# Altium PCB L4N-24VDimmer.PcbDoc (part 2 of 2)
Units mm, origin at the board's own origin, x right, y up, seen from the top; angles counter-clockwise.
Board outline 87 x 52 mm, 2 copper layers (Top, Bottom Layer), stack 1.32 mm thick; 77 components, 64 nets, 298 pads, 225 vias.
Unrouted connection lines stored in the file: 10.
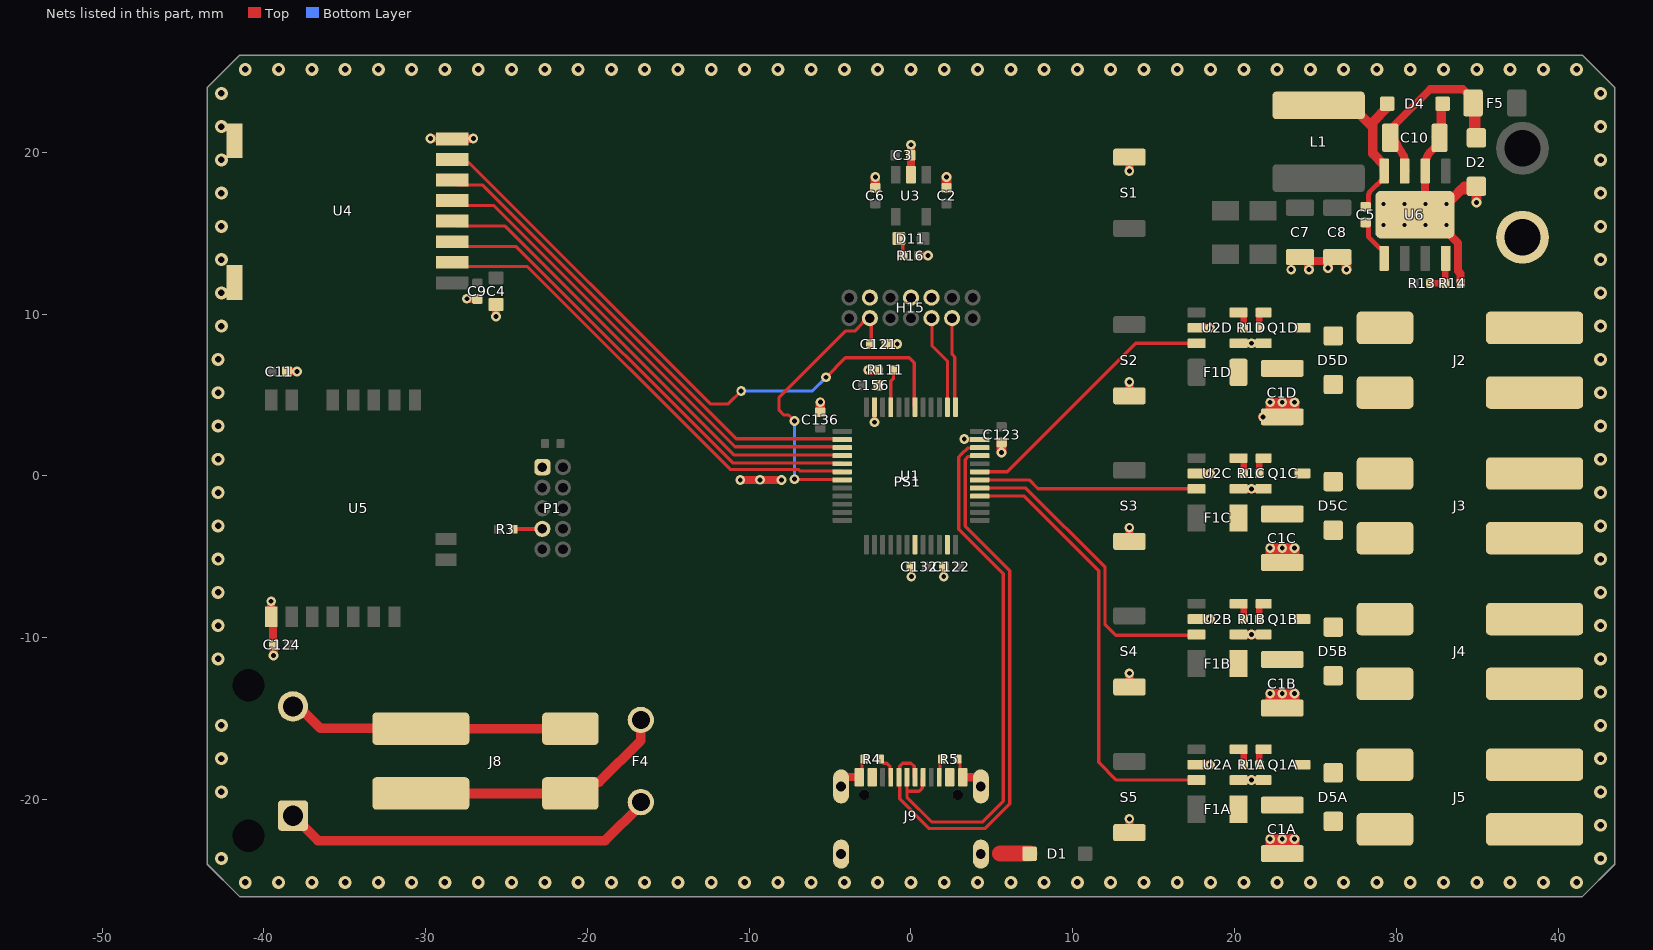
[diagram p2: the nets of this part, all layers, seen from the top]

## Via types
v1: diameter 0.8, hole 0.4, Top to Bottom Layer, tented both sides, 128 vias
v2: diameter 0.6, hole 0.3, Top to Bottom Layer, tented both sides, 89 vias
v3: diameter 0.5, hole 0.25, Top to Bottom Layer, tented both sides, 8 vias

## Nets (pads, with @x,y where several pads share a name; then routed paths per layer and width w, separated by ;. In a path a pad name is that pad's centre, name@x,y a point inside that pad or via, vN(x,y) a via of type N, cw(c..) or ccw(c..) an arc to the next point about the centre after c; other vN are vias at no path point) (continued)
GND: C1A.1 C1B.1 C1C.1 C1D.1 C2.1 C3.1 C4.2 C6.1 C7.2 C8.2 C9.1 C10.1 C11.1 C121.1 C122.1 C123.1 C124.1 C132.1 C136.1 C156.1 D2.1 D4.A H15.5 H15.7 H15.11 J9.A1/B12 J9.A12/B1 J9.Shell P1.1 PS1.-V Q1A.2 Q1B.2 Q1C.2 Q1D.2 R4.2 R5.2 R14.2 R16.2 R111.2 S1.1 S2.1 S3.1 S4.1 S5.1 U1.19 U1.23 U1.35 U1.47 U2A.2 U2A.4 U2B.2 U2B.4 U2C.2 U2C.4 U2D.2 U2D.4 U3.2 U4.8 U4.9 U4.10 U5.1 U6.6 U6.9 | length 85.6
  Top w0.2: J9.A1/B12@-3.2,-18.625 -3.025,-18.45 -3.025,-17.65 R4.2@-2.875,-17.5 ; R5.2@2.875,-17.5 3.025,-17.65 3.025,-18.45 J9.A12/B1@3.2,-18.625 ; C8.2@26.025,13.525 C8.2@26.35,13.525
  Top w0.3: v2(-2.25,3.316) U1.47@-2.25,4.25 ; C132.1@0.02,-5.6 0.02,-6.222 v2(0.025,-6.227) ; C122.1@2.02,-5.6 2.02,-6.222 v2(2.025,-6.227) ; v2(3.288,2.279) 3.288,2.278 3.316,2.25 3.331,2.25 3.389,2.308 3.389,2.261 3.4,2.25 U1.35@4.25,2.25
  Top w0.5: v2(-39.55,-7.75) U5.1@-39.55,-8.706 -39.426,-8.83 -39.426,-10.404 C124.1@-39.38,-10.45 ; v2(-39.4,-11.1) -39.39,-11.09 C124.1@-39.39,-10.45 ; C11.1@-38.57,6.45 v2(-37.95,6.45) ; v2(-29.7,20.85) v2(-27.05,20.85) -27.063,20.837 -28.347,20.837 U4.8@-28.359,20.825 ; v2(-27.45,10.95) -27.445,10.945 -26.805,10.945 C9.1@-26.8,10.94 ; v2(-25.65,9.85) C4.2@-25.65,10.595 ; v2(-10.55,-0.25) -10.547,-0.247 -9.342,-0.247 v2(-9.338,-0.243) -9.335,-0.247 -8.003,-0.247 v2(-8,-0.25) ; J9.Shell@-4.32,-19.195 -4.32,-18.85 -4.089,-18.619 J9.A1/B12@-3.206,-18.619 ; C121.1@-1.52,8.15 v2(-0.85,8.15) ; U3.2@-0.005,18.63 U3.2@0.005,18.62 ; v2@-0.005,20.46 v2@0.005,20.47 ; U3.2@0,18.63 C3.1@0,19.81 ; C3.1@0,19.83 v2@0,20.46 ; C3.1@0.005,19.81 -0.005,19.82 C3.1@0.005,19.83 ; R16.2@0.475,13.613 R16.2@0.475,13.628 ; R16.2@0.475,13.62 v2@1.035,13.62 ; v2@1.035,13.613 v2@1.05,13.628 ; J9.A12/B1@3.2,-18.625 4.089,-18.625 4.32,-18.856 J9.Shell@4.32,-19.195 ; S5.1@13.5,-22.05 v2(13.5,-21.2) ; S4.1@13.5,-13.05 v2(13.5,-12.2) ; S3.1@13.5,-4.05 v2(13.5,-3.2) ; S2.1@13.5,4.95 v2(13.5,5.8) ; v2(13.5,18.85) S1.1@13.5,19.7 ; U2A.2@17.65,-17.85 v2(18.5,-17.85) ; U2B.2@17.65,-8.85 v2(18.5,-8.85) ; U2C.2@17.65,0.15 v2(18.5,0.15) ; U2D.2@17.65,9.15 v2(18.5,9.15) ; U2A.4@20.25,-18.8 21.005,-18.8 21.025,-18.82 21.079,-18.82 21.099,-18.8 Q1A.2@21.8,-18.8 ; U2B.4@20.25,-9.8 21.005,-9.8 21.025,-9.82 21.079,-9.82 21.099,-9.8 Q1B.2@21.8,-9.8 ; U2C.4@20.25,-0.8 21.005,-0.8 21.025,-0.82 21.079,-0.82 21.099,-0.8 Q1C.2@21.8,-0.8 ; U2D.4@20.25,8.2 21.005,8.2 21.025,8.18 21.079,8.18 21.099,8.2 Q1D.2@21.8,8.2 ; C7.2@24.775,13.275 C8.2@25.95,13.275 ; v3(31.8,16.8) 31.8,16.823 31.795,16.805 31.785,16.815 U6.6@31.785,18.85 31.835,18.863 31.813,18.863 cw(c32.304,18.957) 31.808,18.896 cw(c33.048,19.046) 31.798,19.046 31.798,19.222 cw(c33.048,19.222) 32.074,20.005 32.075,20.006 32.384,20.315 32.475,20.325 32.628,20.708 32.629,20.709 cw(c33.789,20.243) 32.69,20.841 cw(c33.789,20.243) 32.709,20.873 cw(c33.14,20.62) C10.1@32.731,20.907 ; C10.1@32.431,20.957 32.675,20.957 32.703,20.925 C10.1@32.725,20.9 ; v3(33.1,15.5) 33.1,15.111 33.805,14.406 33.805,12.675 33.975,12.505 R14.2@33.975,11.9
  Top w0.6: C136.1@-5.6,3.94 v2(-5.6,4.56) ; v2(-2.645,6.55) R111.2@-2.025,6.55 ; C6.1@-2.2,17.8 v2(-2.2,18.47) ; C2.1@2.2,17.8 v2(2.2,18.47) ; v2(5.6,1.45) C123.1@5.6,2.07 ; C1D.1@21.76,3.65 v2(21.77,3.64) ; C1A.1@22.2,-23.35 v2(22.2,-22.45) v2(22.95,-22.45) ; v2@22.2,-22.7 v2@23.7,-22.7 ; C1B.1@22.2,-14.35 v2(22.2,-13.45) v2(22.95,-13.45) ; v2@22.2,-13.7 v2@23.7,-13.7 ; C1C.1@22.2,-5.35 v2(22.2,-4.45) v2(22.95,-4.45) ; v2@22.2,-4.7 v2@23.7,-4.7 ; C1D.1@22.2,3.65 v2(22.2,4.55) v2(22.95,4.55) ; v2@22.2,4.3 v2@23.7,4.3 ; C1A.1@22.95,-23.35 v2(22.95,-22.45) ; C1B.1@22.95,-14.35 v2(22.95,-13.45) ; C1C.1@22.95,-5.35 v2(22.95,-4.45) ; C1D.1@22.95,3.65 v2(22.95,4.55) ; C7.2@23.5,13.325 23.7,13.525 C7.2@24.575,13.525 ; C1A.1@23.7,-23.35 v2(23.7,-22.45) v2(22.95,-22.45) ; C1B.1@23.7,-14.35 v2(23.7,-13.45) v2(22.95,-13.45) ; C1C.1@23.7,-5.35 v2(23.7,-4.45) v2(22.95,-4.45) ; C1D.1@23.7,3.65 v2(23.7,4.55) v2(22.95,4.55) ; v2(24.6,12.75) C7.2@24.6,13.275 ; v2(25.775,12.85) 25.775,13.275 C8.2@26.025,13.525 ; C8.2@26.35,13.525 26.725,13.525 26.925,13.325 v2(26.925,12.75) ; C10.1@32.65,20.8 32.69,20.841 32.77,20.92 32.77,22.905 D4.A@32.864,23 ; v2(34.95,16.9) D2.1@34.95,17.75 ; D2.1@34.95,17.702 D2.1@34.702,17.702 ; U6.9@33.583,17.283 v3(33.1,16.8) 33.1,17.088 33.295,17.283 U6.9@33.583,17.283 ; U6.9@33.583,17.283 34.002,17.702 D2.1@34.702,17.702 ; U6.9@33.583,17.283 34.2,17.9 34.504,17.9 D2.1@34.702,17.702
  other v1: -41.15,-25.125 -39.093,-25.125 -37.035,-25.125 -34.978,-25.125 -32.92,-25.125 -30.863,-25.125 -28.805,-25.125 -26.748,-25.125 -24.69,-25.125 -22.633,-25.125 -20.575,-25.125 -18.518,-25.125 -16.46,-25.125 -14.403,-25.125 -12.345,-25.125 -10.288,-25.125 -8.23,-25.125 -6.173,-25.125 -4.115,-25.125 -2.058,-25.125 0,-25.125 2.057,-25.125 4.115,-25.125 6.172,-25.125 8.23,-25.125 10.287,-25.125 12.345,-25.125 14.402,-25.125 16.46,-25.125 18.517,-25.125 20.575,-25.125 22.632,-25.125 24.69,-25.125 26.747,-25.125 28.805,-25.125 30.862,-25.125 32.92,-25.125 34.977,-25.125 37.035,-25.125 39.092,-25.125 41.15,-25.125 -42.625,-23.65 42.625,-23.65 42.625,-21.593 -42.625,-19.537 42.625,-19.537 -42.625,-17.48 42.625,-17.48 -42.625,-15.424 42.625,-15.424 42.625,-13.367 -42.825,-11.311 42.625,-11.311 -42.825,-9.254 42.625,-9.254 -42.825,-7.198 42.625,-7.198 -42.825,-5.141 42.625,-5.141 -42.825,-3.085 42.625,-3.085 -42.825,-1.028 42.625,-1.028 -42.825,1.028 42.625,1.028 -42.825,3.085 42.625,3.085 -42.825,5.141 42.625,5.141 -42.825,7.198 42.625,7.198 -42.625,9.254 42.625,9.254 -42.625,11.311 42.625,11.311 -42.625,13.367 42.625,13.367 -42.625,15.424 42.625,15.424 -42.625,17.48 42.625,17.48 -42.625,19.537 42.625,19.537 -42.625,21.593 42.625,21.593 -42.625,23.65 42.625,23.65 -41.15,25.125 -39.093,25.125 -37.035,25.125 -34.978,25.125 -32.92,25.125 -30.863,25.125 -28.805,25.125 -26.748,25.125 -24.69,25.125 -22.633,25.125 -20.575,25.125 -18.518,25.125 -16.46,25.125 -14.403,25.125 -12.345,25.125 -10.288,25.125 -8.23,25.125 -6.173,25.125 -4.115,25.125 -2.058,25.125 0,25.125 2.057,25.125 4.115,25.125 6.172,25.125 8.23,25.125 10.287,25.125 12.345,25.125 14.402,25.125 16.46,25.125 18.517,25.125 20.575,25.125 22.632,25.125 24.69,25.125 26.747,25.125 28.805,25.125 30.862,25.125 32.92,25.125 34.977,25.125 37.035,25.125 39.092,25.125 41.15,25.125
  other v2: 21.052,-18.8 21.052,-9.8 21.052,-0.8 21.052,8.2 23.5,12.75 1.05,13.62 0,20.47
  other v3: 29.2,15.5 30.5,15.5 31.8,15.5 29.2,16.8 30.5,16.8
NetC1A_2: C1A.2 D5A.2 F1A.2 J5.1
NetC1B_2: C1B.2 D5B.2 F1B.2 J4.1
NetC1C_2: C1C.2 D5C.2 F1C.2 J3.1
NetC1D_2: C1D.2 D5D.2 F1D.2 J2.1
NetC5_1: C5.1 U6.1 | length 2.4
  Top w0.3: C5.1@28.1,15.67 28.12,15.67 28.27,15.52 28.27,14.78 28.975,14.075 29.095,14.075 29.25,13.92 U6.1@29.25,13.8
NetC5_2: C5.2 D4.K L1.1 U6.8 | length 9.4
  Top w0.3: C5.2@28.1,16.63 28.12,16.63 28.27,16.78 28.27,17.4 28.35,17.48 28.35,17.554 28.771,17.975 28.775,17.975 29.025,18.225 29.095,18.225 29.25,18.38 U6.8@29.25,18.45
  Top w0.6: L1.1@26.994,23.081 28.548,21.526 ; U6.8@29.245,18.85 29.245,19.226 28.548,19.922 28.548,21.526 ; D4.K@29.435,23 29.435,22.764 28.548,21.877 28.548,21.526
NetC10_2: C10.2 D2.2 F5.1 U6.7 | length 12
  Top w0.25: 30.42,19.808 30.47,19.758
  Top w0.5: C10.2@29.625,20.9 29.625,21.425 32.1,23.9 33.435,23.9 34.125,23.9 F5.1@34.775,23.25 ; C10.2@29.675,20.9 C10.2@29.925,20.697 ; C10.2@29.825,20.697 29.915,20.546 29.925,20.528 C10.2@29.954,20.528 ; C10.2@29.975,20.582 cw(c29.622,20.228) 30.062,20.465 30.229,20.151 ccw(c31.332,20.739) 30.274,20.073 30.41,19.857 cw(c29.352,19.191) 30.462,19.766 ; 30.47,19.758 cw(c29.265,19.426) 30.515,19.426 30.515,18.879 30.565,18.879 U6.7@30.515,18.85 ; F5.1@34.748,23.05 F5.1@34.849,22.949 ; D2.2@34.849,20.851 34.85,20.85 34.9,20.9 D2.2@34.95,20.9
  Top w0.7: F5.1@34.748,23.05 34.853,22.945 34.853,20.997 D2.2@34.95,20.9
NetD5A_1: D5A.1 J5.2 Q1A.3
NetD5B_1: D5B.1 J4.2 Q1B.3
NetD5C_1: D5C.1 J3.2 Q1C.3
NetD5D_1: D5D.1 J2.2 Q1D.3
NetD11_1: D11.1 R16.1 | length 1.2
  Top w0.2: D11.1@-0.75,14.67 -0.512,14.433 -0.512,13.658 R16.1@-0.475,13.62
NetF4_1: F4.1 J8.2 | length 18.5
  Top w0.6: F4.1@-16.7,-15.085 -16.7,-16.35 -19.275,-18.925 -20.35,-18.925 J8.2@-21.05,-19.625 -21.8,-19.625 J8.2@-29.15,-19.625 ; J8.2@-30.3,-19.625 J8.2@-29.15,-19.625 ; J8.2@-30.3,-19.625 J8.2@-29.15,-19.625 ; J8.2@-30.3,-19.625 J8.2@-29.15,-19.625
NetF4_2: F4.2 PS1.AC/L | length 23.2
  Top w0.6: PS1.AC/L@-38.2,-21 -36.65,-22.55 -18.915,-22.55 -16.7,-20.335 F4.2@-16.7,-20.165
NetJ8_1: J8.1 PS1.AC/N | length 17.7
  Top w0.6: PS1.AC/N@-38.2,-14.25 -37.853,-14.25 -36.503,-15.6 -30.325,-15.6 J8.1@-30.3,-15.625 -28.7,-15.625 J8.1@-21.05,-15.625
NetJ9_A5: J9.A5 R4.1 | length 1.5
  Top w0.2: R4.1@-1.925,-17.5 -1.925,-17.525 -1.695,-17.755 -1.498,-17.755 -1.3,-17.953 -1.3,-18.575 J9.A5@-1.25,-18.625
NetJ9_B5: J9.B5 R5.1 | length 1.2
  Top w0.2: J9.B5@1.75,-18.625 1.8,-18.575 1.8,-17.625 R5.1@1.925,-17.5
NetP1_7: P1.7 R3.1 | length 1.8
  Top w0.25: R3.1@-24.575,-3.3 -24.56,-3.285 -22.8,-3.285 P1.7@-22.785,-3.27
NetQ1A_1: Q1A.1 R1A.2 | length 1.2
  Top w0.4: R1A.2@21.525,-17.85 21.525,-16.9 Q1A.1@21.8,-16.9
NetQ1B_1: Q1B.1 R1B.2 | length 1.2
  Top w0.4: R1B.2@21.525,-8.85 21.525,-7.9 Q1B.1@21.8,-7.9
NetQ1C_1: Q1C.1 R1C.2 | length 1.2
  Top w0.4: R1C.2@21.525,0.15 21.525,1.1 Q1C.1@21.8,1.1
NetQ1D_1: Q1D.1 R1D.2 | length 1.2
  Top w0.4: R1D.2@21.525,9.15 21.525,10.1 Q1D.1@21.8,10.1
NetR1A_1: R1A.1 U2A.5 | length 1.3
  Top w0.4: U2A.5@20.25,-16.9 20.575,-16.9 R1A.1@20.575,-17.85
NetR1B_1: R1B.1 U2B.5 | length 1.3
  Top w0.4: U2B.5@20.25,-7.9 20.575,-7.9 R1B.1@20.575,-8.85
NetR1C_1: R1C.1 U2C.5 | length 1.3
  Top w0.4: U2C.5@20.25,1.1 20.575,1.1 R1C.1@20.575,0.15
NetR1D_1: R1D.1 U2D.5 | length 1.3
  Top w0.4: U2D.5@20.25,10.1 20.575,10.1 R1D.1@20.575,9.15
NetR13_2: R13.2 R14.1 U6.4 | length 2.5
  Top w0.4: R13.2@32.075,11.9 R14.1@33.025,11.9 33.025,13.45 U6.4@33.055,13.45
NetR111_1: R111.1 U1.45 | length 2.4
  Top w0.2: U1.45@-1.25,4.25 -1.25,5.85 -1.075,6.025 R111.1@-1.075,6.55
NetU1_28: U1.28 U2A.3 | length 27.6
  Top w0.2: U1.28@4.25,-1.25 7,-1.25 11.6,-5.85 11.6,-17.7 12.7,-18.8 U2A.3@17.65,-18.8
NetU1_29: U1.29 U2B.3 | length 19.3
  Top w0.2: U1.29@4.25,-0.75 7.101,-0.75 12,-5.649 12,-9.2 12.65,-9.85 17.6,-9.85 U2B.3@17.65,-9.8
NetU1_30: U1.30 U2C.3 | length 13.6
  Top w0.2: U1.30@4.25,-0.25 7.3,-0.25 7.85,-0.8 U2C.3@17.65,-0.8
NetU1_31: U1.31 U2D.3 | length 16.7
  Top w0.2: U1.31@4.25,0.25 5.95,0.25 13.9,8.2 U2D.3@17.65,8.2
STM_RST: C121.2 H15.12 U1.7 | length 17.9
  Top w0.2: v2(-7.2,-0.2) -7.175,-0.225 -4.275,-0.225 U1.7@-4.25,-0.25 ; v2(-7.2,3.4) -7.563,3.763 -7.863,3.763 -8.15,4.05 -8.15,4.85 -4.05,8.95 -3.479,8.95 -3.01,9.419 -3.01,9.454 -2.714,9.75 H15.12@-2.54,9.75 -2.46,9.67 -2.46,8.17 C121.2@-2.48,8.15
  Bottom Layer w0.2: v2(-7.2,-0.2) v2(-7.2,3.4)
SWCLK: H15.6 U1.38 | length 5.9
  Top w0.2: H15.6@1.27,9.75 1.3,9.72 1.3,8.05 2.257,7.093 2.257,4.257 U1.38@2.25,4.25
SWDIO: H15.4 U1.37 | length 5.6
  Top w0.2: H15.4@2.54,9.75 2.54,7.51 2.7,7.35 2.7,6.05 2.702,6.047 2.702,4.298 U1.37@2.75,4.25
USB_DM: J9.A7 J9.B7 U1.33 | length 35.4
  Top w0.2: J9.A7@0.25,-18.625 0.2,-18.575 0.2,-17.953 0.002,-17.755 -0.502,-17.755 -0.7,-17.953 -0.7,-18.575 J9.B7@-0.75,-18.625 -0.7,-18.675 -0.7,-19.966 1.134,-21.8 4.566,-21.8 6.1,-20.266 6.1,-5.85 3.353,-3.103 3.353,-2.496 3.353,1.004 3.551,1.202 4.202,1.202 U1.33@4.25,1.25
USB_DP: J9.A6 J9.B6 U1.34 | length 34
  Top w0.2: -0.25,-19.495 -0.25,-19.85 1.3,-21.4 4.4,-21.4 5.7,-20.1 5.7,-6.049 2.953,-3.302 2.953,-2.33 2.953,1.17 3.151,1.368 3.501,1.718 4.218,1.718 U1.34@4.25,1.75 ; J9.A6@-0.25,-18.625 -0.25,-19.402 -0.157,-19.495 0.502,-19.495 0.7,-19.297 0.7,-18.675 J9.B6@0.75,-18.625
VBUS: D1.1 J9.A4/B9 J9.A9/B4 | length 1.8
  Top w1: 5.52,-23.35 D1.1@7.335,-23.35
WIRELESS_CE: U1.6 U4.2 | length 29.5
  Top w0.2: U4.2@-28.359,13.205 -28.099,12.945 -23.723,12.945 -11.178,0.4 -6.951,0.4 -6.849,0.298 -4.298,0.298 U1.6@-4.25,0.25
WIRELESS_IRQ: U1.42 U4.7 | length 38.9
  Top w0.2: U4.7@-28.359,19.555 -28.172,19.368 -27.318,19.368 -12.4,4.45 -11.3,4.45 v2(-10.5,5.25) ; v2(-5.25,6.1) -4.05,7.3 -0.1,7.3 0.202,6.998 0.202,4.298 U1.42@0.25,4.25
  Bottom Layer w0.2: v2(-10.5,5.25) -6.1,5.25 v2(-5.25,6.1)
WIRELESS_MISO: U1.2 U4.6 | length 30.8
  Top w0.2: U4.6@-28.359,18.285 -28.059,17.985 -26.501,17.985 -10.813,2.298 -4.298,2.298 U1.2@-4.25,2.25
WIRELESS_MOSI: U1.3 U4.5 | length 30.4
  Top w0.2: U4.5@-28.359,17.015 -28.059,16.715 -25.796,16.715 -10.879,1.798 -4.298,1.798 U1.3@-4.25,1.75
WIRELESS_SCK: U1.4 U4.4 | length 30.1
  Top w0.2: U4.4@-28.359,15.745 -28.059,15.445 -25.092,15.445 -10.945,1.298 -4.298,1.298 U1.4@-4.25,1.25
WIRELESS_SS: U1.5 U4.3 | length 29.8
  Top w0.2: U4.3@-28.359,14.475 -28.059,14.175 -24.388,14.175 -11.013,0.8 -6.786,0.8 -6.783,0.798 -4.298,0.798 U1.5@-4.25,0.75
pads on no net: F2.1 F2.2 F3.1 F3.2 H15.1 H15.2 H15.8 H15.9 H15.10 J9.A8 J9.B8 J9.MH1 J9.MH2 U1.12 U1.13 U1.14 U1.15 U1.16 U1.17 U1.18 U1.22 U1.40 U1.41 U1.43 U1.44 U1.46 U3.4 U5.5 U5.17 U5.23 U6.2 U6.3 U6.5

## Polygon pours and split planes (outlines as drawn)
GND on Top "NONET_L-01_P-001" (solid, remove dead copper, pour order 335): 33.45,24.4 29.65,24.4 29.65,14.65 33.15,14.65 34.15,11.6 38,11.6 40,13.6 40,15.8 33.45,22.35
NetC10_2 on Top "NONET_L-01_P-001" (solid, pour order 324): 29.1,22.65 30.95,22.65 30.95,17.95 29.1,17.95
3.3V on Top "NONET_L-01_P-001" (solid, remove dead copper, pour order 336): -43.5,-11.4 6.1,-11.4 6.1,14.7 3.6,17.2 -2.7,17.2 -2.7,24.5 -43.5,24.5
no net on Top "NONET_L01_P316" (solid, pour order 316): 319 vertices, not listed, extent -11.4,-16.406 -10.594,-15.027
no net on Top "NONET_L01_P317" (solid, pour order 317): -9.993,-18.536 cw(c-9.929,-18.447) -10.033,-18.481 cw(c-9.923,-18.448) -10.029,-18.403 -9.603,-17.268 cw(c-9.492,-17.294) -9.497,-17.18 -9.496,-17.18 -9.495,-17.18 cw(c-9.489,-17.299) -9.492,-17.18 cw(c-9.49,-17.285) -9.489,-17.18 -9.487,-17.18 -9.486,-17.18 -9.485,-17.18 cw(c-9.485,-17.203) -9.485,-17.18 cw(c-9.486,-17.207) -9.484,-17.18 cw(c-9.486,-17.211) -9.483,-17.18 cw(c-9.486,-17.218) -9.483,-17.18 -9.482,-17.18 -9.481,-17.18 -9.48,-17.18 -9.478,-17.18 -9.477,-17.18 -9.477,-17.181 cw(c-9.49,-17.295) -9.379,-17.269 -8.953,-18.403 cw(c-9.052,-18.448) -8.965,-18.512 cw(c-9.064,-18.435) -9.053,-18.561 cw(c-9.064,-18.451) -9.12,-18.546 cw(c-9.059,-18.449) -9.168,-18.484 -9.275,-18.2 -9.707,-18.2 -9.814,-18.484 cw(c-9.918,-18.452) -9.894,-18.558 cw(c-9.918,-18.435)
no net on Top "NONET_L01_P318" (solid, pour order 318): -12.702,-16.365 cw(c-12.612,-16.295) -12.726,-16.292 -12.726,-15.144 cw(c-12.612,-15.142) -12.613,-15.027 -12.613,-15.028 -12.611,-15.028 -12.609,-15.028 -12.607,-15.028 -12.605,-15.028 -12.603,-15.028 cw(c-12.608,-15.143) -12.601,-15.028 cw(c-12.607,-15.125) -12.599,-15.028 cw(c-12.606,-15.112) -12.597,-15.029 cw(c-12.604,-15.099) -12.593,-15.029 -12.289,-15.029 cw(c-12.289,-15.13) -12.284,-15.029 cw(c-12.29,-15.468) -11.851,-15.467 cw(c-11.966,-15.468) -11.851,-15.476 cw(c-12.289,-15.466) -12.008,-15.802 -11.857,-16.256 cw(c-11.957,-16.297) -11.872,-16.365 cw(c-11.969,-16.284) -11.963,-16.41 cw(c-11.97,-16.3) -12.029,-16.392 cw(c-11.964,-16.298) -12.075,-16.328 -12.218,-15.899 cw(c-12.309,-15.252) -12.232,-15.901 cw(c-12.299,-15.336) -12.246,-15.902 cw(c-12.293,-15.4) -12.26,-15.903 cw(c-12.289,-15.469) -12.289,-15.904 -12.497,-15.904 -12.497,-16.292 cw(c-12.606,-16.297) -12.546,-16.388 cw(c-12.612,-16.281) -12.646,-16.402 cw(c-12.617,-16.296)
no net on Top "NONET_L01_P319" (solid, pour order 319): 311 vertices, not listed, extent -11.329,-18.559 -10.38,-17.179
no net on Top "NONET_L01_P320" (solid, pour order 320): -10.244,-20.711 ccw(c-10.243,-20.588) -10.179,-20.692 ccw(c-10.238,-20.601) -10.129,-20.596 -10.129,-20.236 -9.463,-20.681 ccw(c-9.383,-20.598) -9.315,-20.69 ccw(c-9.382,-20.597) -9.269,-20.579 -9.269,-20.137 -9.061,-20.137 ccw(c-9.055,-20.022) -8.986,-20.114 ccw(c-9.054,-20.028) -8.948,-20.056 ccw(c-9.069,-20.022) -8.962,-19.956 ccw(c-9.053,-20.016) -9.061,-19.907 -9.269,-19.907 -9.269,-19.464 ccw(c-9.382,-19.447) -9.327,-19.346 ccw(c-9.384,-19.449) -9.385,-19.332 ccw(c-9.383,-19.446) -9.46,-19.361 -10.129,-19.807 -10.129,-19.448 ccw(c-10.244,-19.446) -10.246,-19.332 ccw(c-10.244,-19.446) -10.359,-19.448 -10.359,-20.596 ccw(c-10.249,-20.6)
no net on Top "NONET_L01_P321" (solid, pour order 321): -7.985,-20.711 cw(c-7.983,-20.02) -8.673,-20.022 cw(c-7.983,-20.023) -7.985,-19.333 cw(c-7.986,-20.023) -7.296,-20.022 cw(c-7.986,-20.02)
24V on Top "NONET_L-01_P-001" (solid, remove dead copper, pour order 337): 36.2,24.85 36.2,17.15 25.227,17.15 25.227,12.2 16.1,12.2 16.1,-26 43.5,-26 43.5,26
5V on Top "NONET_L-01_P-001" (solid, pour order 349): 4.3,24.45 -5.1,24.45 -5.1,17.15 3.65,17.15 6.1,14.7 6.1,-26 28.45,-26 28.45,24.45
VBUS on Top "NONET_L-01_P-001" (solid, pour order 347): -6,-11.35 -6,-24.65 6,-24.65 6,-11.35
NetC1D_2 on Top "NONET_L-01_P-001" (solid, pour order 332): 30.05,7.3 19.65,7.3 19.65,5.4 20.9,4.15 31.05,4.15 31.05,6.3
5V on Top "NONET_L-01_P-001" (solid, pour order 329): 22.35,19.25 22.35,17.65 23.9,16.1 28.05,16.1 28.05,19.25 23.2,19.25
GND on Top "NONET_L-01_P-001" (solid, remove dead copper, pour order 323): 23.15,14.05 27.25,14.05 27.25,12.4 23.15,12.4
NetC1B_2 on Top "NONET_L-01_P-001" (solid, pour order 331): 30.05,-10.7 19.65,-10.7 19.65,-12.6 20.9,-13.85 31.05,-13.85 31.05,-11.7
NetC1A_2 on Top "NONET_L-01_P-001" (solid, pour order 330): 30.05,-19.7 19.65,-19.7 19.65,-21.6 20.9,-22.85 31.05,-22.85 31.05,-20.7
NetC1C_2 on Top "NONET_L-01_P-001" (solid, pour order 333): 30.05,-1.7 19.65,-1.7 19.65,-3.6 20.9,-4.85 31.05,-4.85 31.05,-2.7
NetD5A_1 on Top "NONET_L-01_P-001" (solid, pour order 326): 31.05,-16.85 24.1,-16.85 23.7,-17.25 23.7,-18.4 24.25,-18.95 31.05,-18.95
NetD5B_1 on Top "NONET_L-01_P-001" (solid, pour order 327): 31.05,-7.85 24.1,-7.85 23.7,-8.25 23.7,-9.4 24.25,-9.95 31.05,-9.95
NetD5C_1 on Top "NONET_L-01_P-001" (solid, pour order 328): 31.05,1.15 24.1,1.15 23.7,0.75 23.7,-0.4 24.25,-0.95 31.05,-0.95
NetD5D_1 on Top "NONET_L-01_P-001" (solid, pour order 325): 31.05,10.15 24.1,10.15 23.7,9.75 23.7,8.6 24.25,8.05 31.05,8.05
GND on Top "NONET_L-01_P-001" (solid, pour order 334): -43.5,24 -42,24 -42,-24 -43.5,-24
GND on Top "NONET_L-01_P-001" (solid, pour order 322): -41.5,-26 -40.439,-24.939 -42.439,-22.939 -43.5,-24
no net on Top Solder "NONET_L01_P085" (solid, pour order 339): 319 vertices, not listed, extent -11.4,-16.406 -10.594,-15.027
no net on Top Solder "NONET_L01_P083" (solid, pour order 340): -9.993,-18.536 cw(c-9.929,-18.447) -10.033,-18.481 cw(c-9.923,-18.448) -10.029,-18.403 -9.603,-17.268 cw(c-9.492,-17.294) -9.497,-17.18 -9.496,-17.18 -9.495,-17.18 cw(c-9.489,-17.299) -9.492,-17.18 cw(c-9.49,-17.285) -9.489,-17.18 -9.487,-17.18 -9.486,-17.18 -9.485,-17.18 cw(c-9.485,-17.203) -9.485,-17.18 cw(c-9.486,-17.207) -9.484,-17.18 cw(c-9.486,-17.211) -9.483,-17.18 cw(c-9.486,-17.218) -9.483,-17.18 -9.482,-17.18 -9.481,-17.18 -9.48,-17.18 -9.478,-17.18 -9.477,-17.18 -9.477,-17.181 cw(c-9.49,-17.295) -9.379,-17.269 -8.953,-18.403 cw(c-9.052,-18.448) -8.965,-18.512 cw(c-9.064,-18.435) -9.053,-18.561 cw(c-9.064,-18.451) -9.12,-18.546 cw(c-9.059,-18.449) -9.168,-18.484 -9.275,-18.2 -9.707,-18.2 -9.814,-18.484 cw(c-9.918,-18.452) -9.894,-18.558 cw(c-9.918,-18.435)
no net on Top Solder "NONET_L01_P086" (solid, pour order 341): -12.702,-16.365 cw(c-12.612,-16.295) -12.726,-16.292 -12.726,-15.144 cw(c-12.612,-15.142) -12.613,-15.027 -12.613,-15.028 -12.611,-15.028 -12.609,-15.028 -12.607,-15.028 -12.605,-15.028 -12.603,-15.028 cw(c-12.608,-15.143) -12.601,-15.028 cw(c-12.607,-15.125) -12.599,-15.028 cw(c-12.606,-15.112) -12.597,-15.029 cw(c-12.604,-15.099) -12.593,-15.029 -12.289,-15.029 cw(c-12.289,-15.13) -12.284,-15.029 cw(c-12.29,-15.468) -11.851,-15.467 cw(c-11.966,-15.468) -11.851,-15.476 cw(c-12.289,-15.466) -12.008,-15.802 -11.857,-16.256 cw(c-11.957,-16.297) -11.872,-16.365 cw(c-11.969,-16.284) -11.963,-16.41 cw(c-11.97,-16.3) -12.029,-16.392 cw(c-11.964,-16.298) -12.075,-16.328 -12.218,-15.899 cw(c-12.309,-15.252) -12.232,-15.901 cw(c-12.299,-15.336) -12.246,-15.902 cw(c-12.293,-15.4) -12.26,-15.903 cw(c-12.289,-15.469) -12.289,-15.904 -12.497,-15.904 -12.497,-16.292 cw(c-12.606,-16.297) -12.546,-16.388 cw(c-12.612,-16.281) -12.646,-16.402 cw(c-12.617,-16.296)
no net on Top Solder "NONET_L01_P084" (solid, pour order 342): 311 vertices, not listed, extent -11.329,-18.559 -10.38,-17.179
no net on Top Solder "NONET_L01_P080" (solid, pour order 343): -12.266,-20.137 cw(c-12.289,-20.024) -12.371,-20.104 cw(c-12.291,-20.022) -12.403,-20 -12.403,-17.296 cw(c-12.289,-17.294) -12.29,-17.18 cw(c-12.289,-17.294) -12.174,-17.296 -12.174,-19.907 -10.359,-19.907 -10.359,-19.448 cw(c-10.244,-19.446) -10.246,-19.332 cw(c-10.244,-19.446) -10.129,-19.448 -10.129,-19.807 -9.46,-19.361 cw(c-9.383,-19.446) -9.385,-19.332 cw(c-9.384,-19.449) -9.327,-19.346 cw(c-9.382,-19.447) -9.269,-19.464 -9.269,-19.907 -9.061,-19.907 cw(c-9.053,-20.016) -8.962,-19.956 cw(c-9.069,-20.022) -8.948,-20.056 cw(c-9.054,-20.028) -8.986,-20.114 cw(c-9.055,-20.022) -9.061,-20.137 -9.269,-20.137 -9.269,-20.579 cw(c-9.382,-20.597) -9.315,-20.69 cw(c-9.383,-20.598) -9.463,-20.681 -10.129,-20.236 -10.129,-20.596 cw(c-10.238,-20.601) -10.179,-20.692 cw(c-10.243,-20.588) -10.244,-20.711 cw(c-10.249,-20.6) -10.359,-20.596 -10.359,-20.137
no net on Top Solder "NONET_L01_P075" (solid, pour order 344): -9.957,-15.832 -8.606,-15.832 -8.099,-16.339 -8.099,-19.343 ccw(c-7.982,-20.024) -8.673,-20.022 ccw(c-7.983,-20.02) -7.985,-20.711 ccw(c-7.986,-20.02) -7.296,-20.022 ccw(c-7.987,-20.024) -7.87,-19.343 -7.87,-16.306 ccw(c-7.984,-16.293) -7.877,-16.251 ccw(c-7.985,-16.29) -7.915,-16.199 -8.463,-15.651 ccw(c-8.556,-15.717) -8.521,-15.609 ccw(c-8.56,-15.719) -8.56,-15.602 ccw(c-8.559,-15.718) -8.569,-15.602 ccw(c-8.56,-15.706) -8.575,-15.603 -9.957,-15.603 ccw(c-9.963,-15.717) -10.032,-15.626 ccw(c-9.964,-15.711) -10.07,-15.683 ccw(c-9.949,-15.717) -10.056,-15.784 ccw(c-9.965,-15.724)
GND on Bottom Layer "NONET_L-01_P-001" (solid, pour order 348): -43.5,26 -43.5,-26 43.5,-26 43.5,26

## Keep-outs
Top:
  lines w0.217: -12.289,-17.295 -12.289,-20.018 -12.29,-20.02 -10.635,-20.02 ; -9.963,-15.712 -8.56,-15.712 -7.983,-16.29 -7.983,-19.037
Keep-Out Layer:
  the board outline again, w0.1

## Other copper
Top:
  pour cut-out: -8.444,-20.022 cw(c-7.986,-20.02) -8.005,-19.563 -7.995,-19.563 -7.991,-19.563 -7.988,-19.563 -7.984,-19.563 cw(c-7.984,-19.846) -7.977,-19.563 -7.974,-19.563 -7.969,-19.563 -7.965,-19.563 cw(c-7.982,-20.02) -7.525,-20.022 cw(c-7.983,-20.024) -7.985,-20.481 cw(c-7.986,-20.024)
  pour cut-out: -11.098,-18.329 -10.925,-18.329 ccw(c-10.924,-18.015) -10.61,-18.013 -10.61,-17.726 ccw(c-10.924,-17.725) -10.925,-17.411 -11.098,-17.411
  pour cut-out: -12.497,-15.675 -12.497,-15.259 -12.289,-15.259 cw(c-12.287,-15.465) -12.081,-15.467 cw(c-12.287,-15.468) -12.174,-15.641 -12.182,-15.645 -12.186,-15.648 -12.19,-15.65 cw(c-12.317,-15.418) -12.194,-15.652 cw(c-12.294,-15.46) -12.198,-15.654 cw(c-12.282,-15.485) -12.203,-15.656 cw(c-12.273,-15.505) -12.212,-15.661 cw(c-12.27,-15.512) -12.217,-15.662 cw(c-12.292,-15.445) -12.259,-15.673 cw(c-12.289,-15.466) -12.289,-15.675
  pour cut-out: -9.498,-20.381 -10.037,-20.022 -9.498,-19.663
  pour cut-out: -9.621,-17.97 -9.491,-17.623 -9.361,-17.97
  region net GND: -2.1,3.7 -2.1,4.9 -1.65,5.35 -1.65,6.85 -1.75,6.95 -2.3,6.95 -2.4,6.85 -2.4,3.7
  region net GND: 3.7,2.1 4.9,2.1 5.35,1.65 6,1.65 6.1,1.75 6.1,2.3 6,2.4 3.7,2.4
  region net GND: 0.1,-3.7 0.1,-4.95 -0.35,-5.4 -0.35,-6 -0.25,-6.1 0.3,-6.1 0.4,-6 0.4,-3.7
  region net GND: 2.1,-3.7 2.1,-4.95 1.65,-5.4 1.65,-6 1.75,-6.1 2.3,-6.1 2.4,-6 2.4,-3.7
  region net GND: -41.4,25.75 41.4,25.75 41.4,24.5 -41.4,24.5
  region net GND: -41.398,25.748 -43.248,23.898 -42.364,23.014 -40.514,24.864
  region net GND: -41.4,-25.75 41.4,-25.75 41.4,-24.5 -41.4,-24.5
  region net GND: 43.25,23.9 43.25,-23.9 42,-23.9 42,23.9
  region net GND: 41.398,25.748 43.248,23.898 42.364,23.014 40.514,24.864
  region net GND: 41.398,-25.748 43.248,-23.898 42.364,-23.014 40.514,-24.864

## Silkscreen, mask and mechanical layers (free items; w line width, h text height)
Top Overlay:
  region: -24.385,-1.35 -24.385,-2.65 -22.785,-2.65 -22.785,-1.35
  region: 0.65,12.62 -0.65,12.62 -0.65,11.02 0.65,11.02
  region: 1.852,-14.951 1.852,-15.951 2.052,-15.751 2.052,-15.151
  region: -1.848,-15.951 -1.848,-14.951 -2.048,-15.151 -2.048,-15.751
  text "L4N High Resolution Dimmer V1.0" at -12.185,22.609 h1.7
  text "Redako.nl" at -26.55,22.4 h2
  text "DEC. '24" at -1.848,-15.951 h1
Top Solder:
  pour cut-out: -11.098,-18.329 -10.925,-18.329 ccw(c-10.924,-18.015) -10.61,-18.013 -10.61,-17.726 ccw(c-10.924,-17.725) -10.925,-17.411 -11.098,-17.411
  pour cut-out: -8.444,-20.022 cw(c-7.986,-20.02) -8.005,-19.563 -7.995,-19.563 -7.991,-19.563 -7.988,-19.563 -7.984,-19.563 cw(c-7.984,-19.846) -7.977,-19.563 -7.974,-19.563 -7.969,-19.563 -7.965,-19.563 cw(c-7.982,-20.02) -7.525,-20.022 cw(c-7.983,-20.024) -7.985,-20.481 cw(c-7.986,-20.024)
  pour cut-out: -12.497,-15.675 -12.497,-15.259 -12.289,-15.259 cw(c-12.287,-15.465) -12.081,-15.467 cw(c-12.287,-15.468) -12.174,-15.641 -12.182,-15.645 -12.186,-15.648 -12.19,-15.65 cw(c-12.317,-15.418) -12.194,-15.652 cw(c-12.294,-15.46) -12.198,-15.654 cw(c-12.282,-15.485) -12.203,-15.656 cw(c-12.273,-15.505) -12.212,-15.661 cw(c-12.27,-15.512) -12.217,-15.662 cw(c-12.292,-15.445) -12.259,-15.673 cw(c-12.289,-15.466) -12.289,-15.675
  pour cut-out: -9.621,-17.97 -9.491,-17.623 -9.361,-17.97
  pour cut-out: -9.498,-20.381 -10.037,-20.022 -9.498,-19.662
  region: -43.5,24 -43.5,-24 -42,-24 -42,24
  region: 41.5,-26 43.5,-24 42.439,-22.939 40.439,-24.939
  region: -41.5,-26 -43.5,-24 -42.439,-22.939 -40.439,-24.939
  region: -41.5,26 -43.5,24 -42.439,22.939 -40.439,24.939
  region: 41.5,26 43.5,24 42.439,22.939 40.439,24.939
  region: -41.5,-26 41.5,-26 41.5,-24.5 -41.5,-24.5
  region: 43.5,24 43.5,-24 42,-24 42,24
  region: -41.5,26 41.5,26 41.5,24.5 -41.5,24.5
  text "A" at -12.25,-11.5 h8

## Text inside footprints (layer, text, board x,y; h text height)
U4: Top Overlay "VCC" at -29.75,12.153 h1 r180; Top Overlay "CE" at -29.75,13.453 h1 r180; Top Overlay "CSN" at -29.75,14.753 h1 r180; Top Overlay "SCK" at -29.756,16.014 h1 r180; Top Overlay "MOSI" at -29.75,17.253 h1 r180; Top Overlay "MISO" at -29.75,18.553 h1 r180; Top Overlay "IRQ" at -29.75,19.853 h1 r180; Top Overlay "GND" at -29.75,21.153 h1 r180; Top Overlay "E01-2G4M13S-V1.0" at -32.677,16.776 h1.3 r180; Top Overlay "ANT" at -46.647,14.617 h1.5 r90; Top Overlay "GND" at -40.297,11.061 h1 r90; Top Overlay "GND" at -40.297,19.824 h1 r90